# KiCad board OEM_ECU.kicad_pcb (continued)
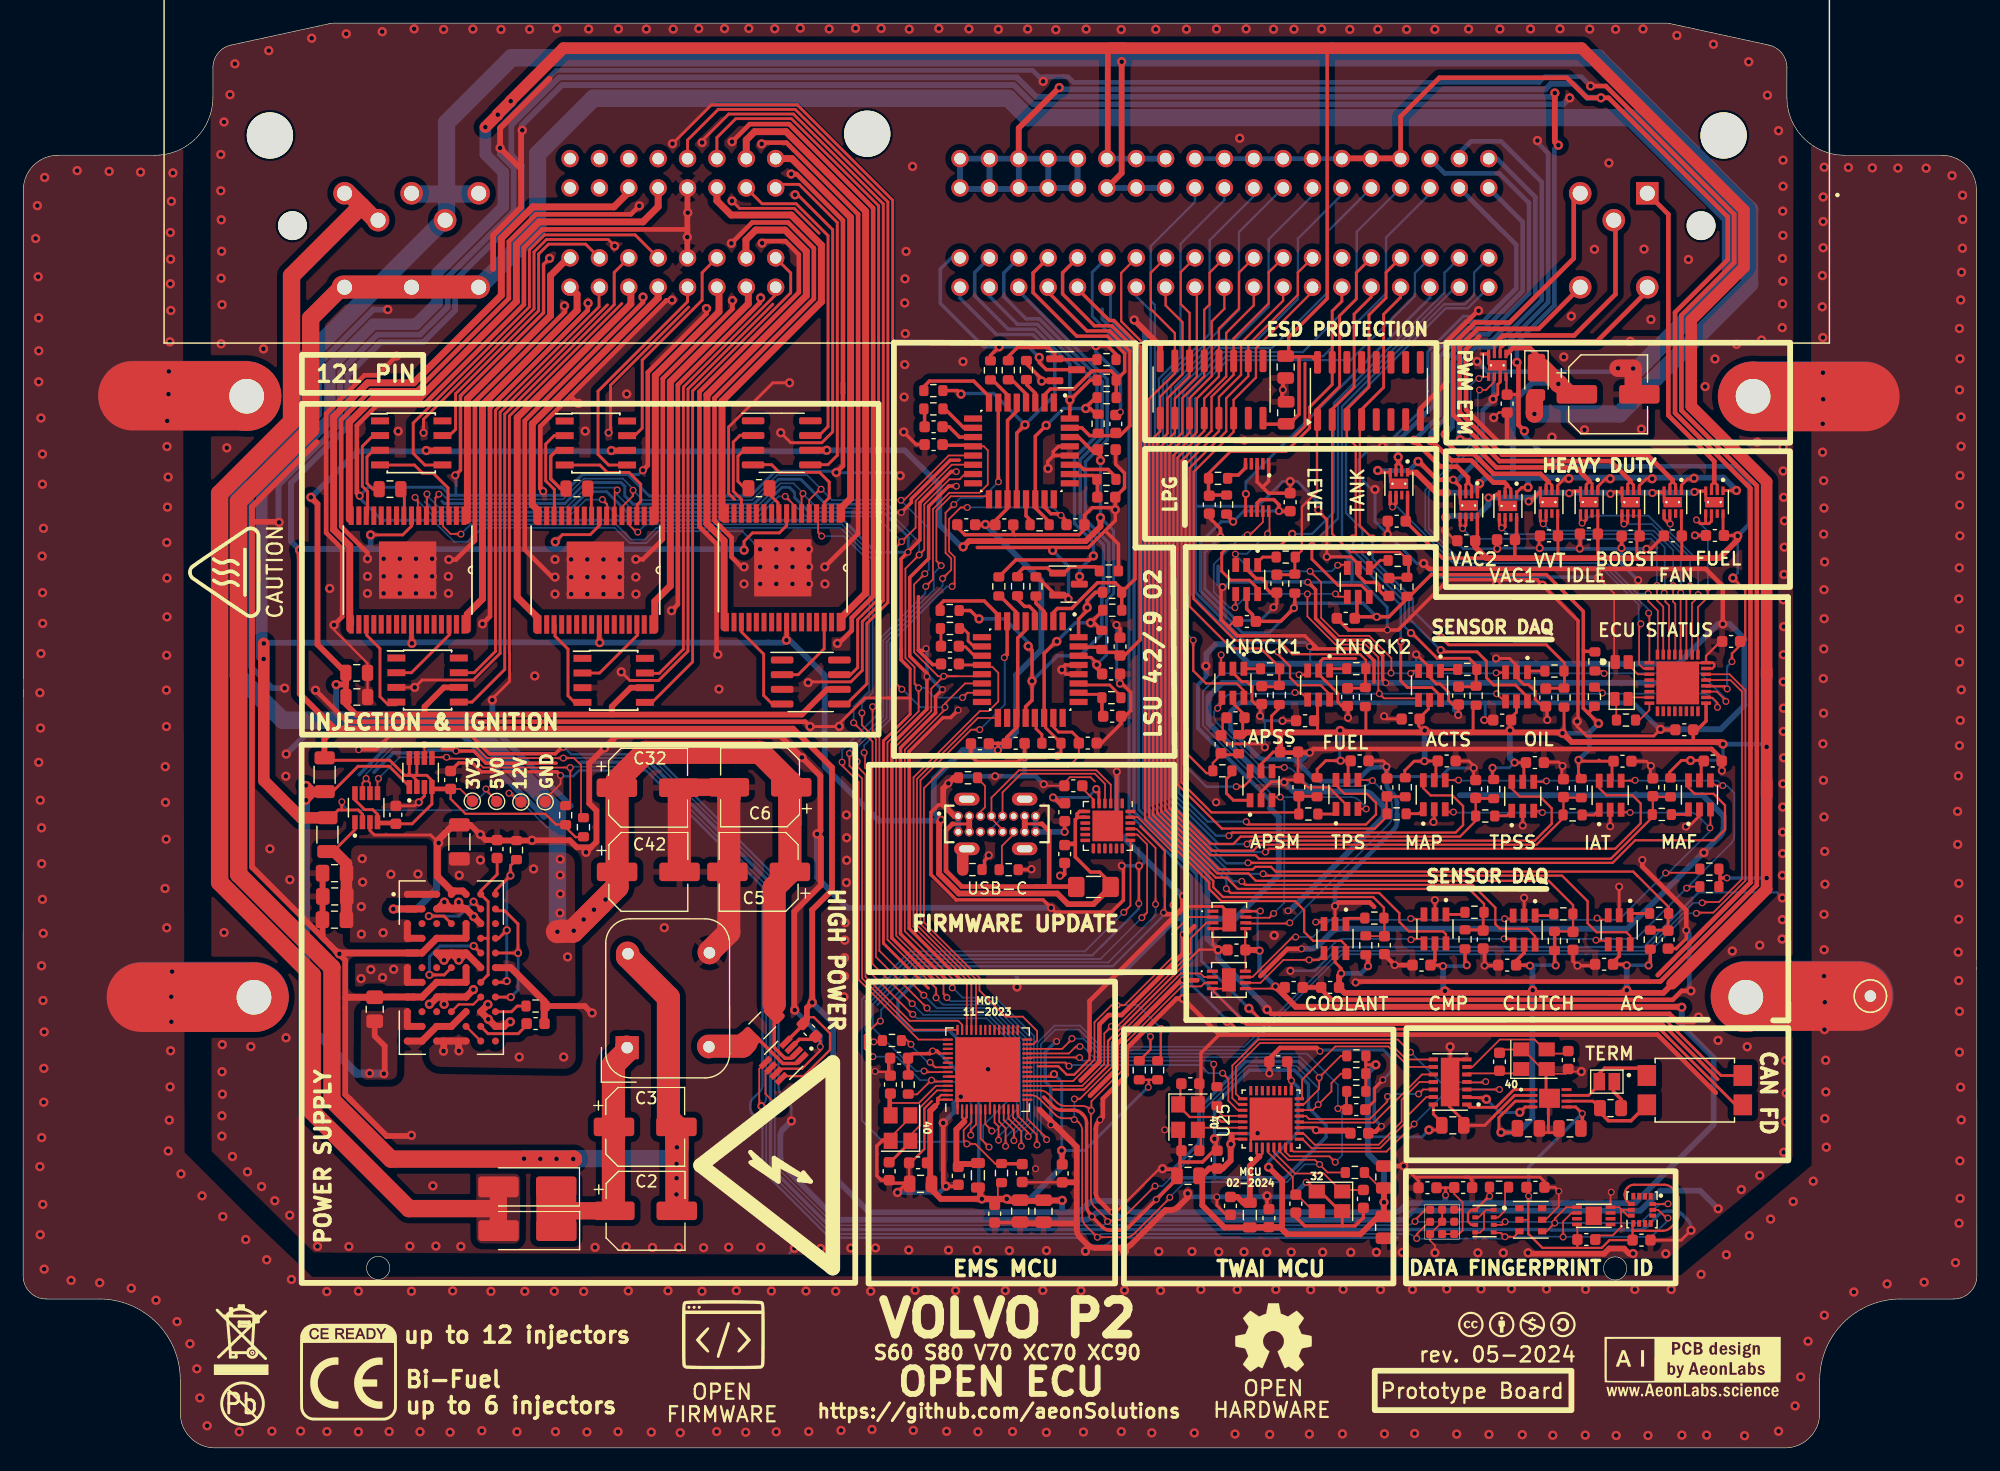
[diagram p0: board, top side]
## Routing (per net, layer and track width the routed paths; a pad name or vN(x,y) marks a point on that pad's centre or on a via; arc(x,y) is an arc through that point) (continued)
GND1: length 77.8
  Top w2: 159.04,92.46 159.1,92.52
  Top w6: 9.49,91.01 19.21,91.01 ; 148.92,39.07 158.64,39.07 ; 10.22,38.98 19.94,38.98 ; 149.54,90.94 159.26,90.94
  Bottom w6: 158.74,39.13 149.02,39.13 ; 159.2,90.99 149.55,90.99 ; 19.2,91.04 9.48,91.04 ; 19.98,39.04 10.26,39.04
  vias: v1(1.08,104.62) v1(1.23,107.46) v1(1.3,101.31) v1(1.34,97.75) v1(1.35,94.9) v1(1.35,92.22) v1(1.35,59.3) v1(1.45,65.32) v1(1.5,62.27) v1(1.48,56.02) v1(1.45,24.33) v1(1.48,18.44) v1(1.54,89.09) v1(1.54,68.71) v1(1.59,53.64) v1(1.6,50.53) v1(1.59,41.7) v1(1.6,26.84) v1(1.67,85.97) v1(1.67,83.36) v1(1.64,77.14) v1(1.68,73.98) v1(1.69,71.32) v1(1.67,47.45) v1(1.72,38.7) v1(1.7,21.06) v1(1.76,79.55) v1(1.74,44.51) v1(1.82,35.98) v1(1.79,32.83) v1(1.78,29.9) v1(1.82,15.46) v1(1.86,109.9) v1(4.15,14.49) v1(4.67,110.49) v1(6.62,14.28) v1(7.44,110.42) v1(9.35,13.81) v1(10.15,110.36) v1(11.49,12.77) v1(12.29,58.93) v1(12.31,55.84) v1(12.27,48.39) v1(12.42,78.32) v1(12.41,68.56) v1(12.39,65.55) v1(12.39,62.4) v1(12.37,52.65) v1(12.42,44.99) v1(12.46,88.84) v1(12.44,86.62) v1(12.48,81.38) v1(12.44,75.24) v1(12.44,71.89) v1(12.6,93.12) v1(12.57,91.15) v1(12.54,83.98) v1(12.55,25.68) v1(12.69,95.68) v1(12.71,31.23) v1(12.64,28.35) v1(12.82,107.84) v1(12.73,105.14) v1(12.75,102.83) v1(12.73,100.7) v1(12.77,98.39) v1(12.81,39.03) v1(12.82,36.86) v1(12.75,34.35) v1(12.88,41.2) v1(12.95,110.29) v1(13.31,10.92) v1(13.65,23.7) v1(14.43,9) v1(15.02,6.84) v1(15.28,4.32) v1(15.47,21.8) v1(15.91,1.91) v1(17.27,20.01) v1(18.69,1.39) v1(19.25,18.02) v1(21.06,16.27) v1(21.51,1.44) v1(23.2,14.57) v1(23.99,1.45) v1(26.26,13.52) v1(26.27,1.41) v1(28.99,13.55) v1(28.99,1.39) v1(31.65,1.41) v1(33.58,13.55) v1(34.32,1.39) v1(36.92,1.35) v1(37.14,13.58) v1(39.66,1.48) v1(40.45,13.54) v1(42.7,1.39) v1(43.38,13.54) v1(45.93,13.55) v1(46.03,1.4) v1(48.47,13.53) v1(48.75,1.37) v1(51.44,1.4) v1(52.33,13.58) v1(54.32,1.36) v1(55.76,13.59) v1(56.82,1.31) v1(58.7,13.55) v1(59.97,1.41) v1(61.67,13.6) v1(62.48,1.35) v1(64.7,13.57) v1(65.12,1.39) v1(67.69,13.57) v1(67.93,1.41) v1(70.26,13.55) v1(70.72,1.51) v1(73.29,13.55) v1(73.4,1.59) v1(76.97,1.51) v1(77.13,13.63) v1(79.85,1.43) v1(80.63,13.61) v1(82.56,1.39) v1(84.93,13.61) v1(85.55,1.41) v1(88.17,13.62) v1(88.48,1.34) v1(91.47,13.6) v1(91.68,1.37) v1(94.96,1.41) v1(95.23,13.63) v1(97.59,1.3) v1(98.35,13.61) v1(101.27,1.29) v1(101.83,13.7) v1(104.79,1.2) v1(104.98,13.69) v1(107.79,1.16) v1(108.32,13.7) v1(111.22,1.19) v1(111.33,13.68) v1(114.08,1.21) v1(114.14,13.72) v1(117.37,13.69) v1(117.71,1.21) v1(120.13,13.7) v1(120.32,1.24) v1(123.1,13.75) v1(123.96,1.19) v1(126.06,13.75) v1(126.75,1.16) v1(128.69,13.76) v1(129.63,1.14) v1(131.72,13.74) v1(132.27,1.09) v1(135.1,13.72) v1(135.08,1.1) v1(137.75,1.07) v1(139.36,13.7) v1(140.5,1.07) v1(142.51,13.7) v1(143.43,1.1) v1(145.09,15.01) v1(145.57,1.1) v1(147.28,16.7) v1(148.85,1.05) v1(149.27,18.36) v1(151.1,19.79) v1(151.79,1.44) v1(153.06,21.31) v1(153.22,3.63) v1(153.7,6.14) v1(154.34,9.22) v1(154.79,23.07) v1(155.58,101.41) v1(155.57,98.71) v1(155.62,96.05) v1(155.63,93.01) v1(155.61,88.59) v1(155.6,86.13) v1(155.63,60.91) v1(155.65,108.21) v1(155.65,106.08) v1(155.65,103.82) v1(155.65,90.71) v1(155.69,83.67) v1(155.72,81.3) v1(155.69,79.04) v1(155.72,74.24) v1(155.73,71.73) v1(155.7,69.12) v1(155.66,66.55) v1(155.68,63.55) v1(155.67,57.75) v1(155.72,54.58) v1(155.72,46.15) v1(155.73,43.09) v1(155.72,40.81) v1(155.74,110.78) v1(155.77,76.64) v1(155.78,51.6) v1(155.8,48.76) v1(155.79,38.55) v1(155.76,36.18) v1(155.79,28.49) v1(155.75,11.47) v1(155.86,33.53) v1(155.88,30.79) v1(155.92,26.01) v1(157.83,110.76) v1(158.3,13.48) v1(159.9,110.73) v1(161.18,14.18) v1(162.11,110.71) v1(164.38,14.33) v1(164.55,110.7) v1(166.79,110.06) v1(167.09,16.02) v1(167.27,55.06) v1(167.28,52.2) v1(167.42,76.13) v1(167.38,73.44) v1(167.34,58.13) v1(167.38,48.83) v1(167.37,45.72) v1(167.33,42.88) v1(167.37,40.42) v1(167.4,19.43) v1(167.43,96.83) v1(167.48,94.22) v1(167.44,91.52) v1(167.48,84.11) v1(167.45,81.56) v1(167.47,78.9) v1(167.45,70.85) v1(167.44,67.97) v1(167.5,62.93) v1(167.43,60.75) v1(167.43,37.76) v1(167.43,34.23) v1(167.53,31.2) v1(167.47,24.83) v1(167.49,21.58) v1(167.61,101.7) v1(167.54,99.3) v1(167.57,89.18) v1(167.57,86.64) v1(167.59,65.58) v1(167.59,28.37) v1(167.7,108.36) v1(167.72,106.27) v1(167.69,103.78)
GND-BAT: length 371
  Top w0.25: 127.65,82.28 127.65,81.6 ; U13.7 127.72,92.21 127.51,92 127.51,91.13 v1(127.1,90.72) ; 127.72,93.39 127.72,92.71 ; 138.26,82.52 138.26,81.83 ; 131.19,82.46 131.19,81.77 ; 134.67,82.59 134.67,81.9 ; U32.4 117.29,84.39 v1(117.13,84.55) ; 118.22,84.23 118.22,83.55 ; 124.26,82.37 124.26,81.69 ; 141.89,82.5 141.89,81.81 ; 126.73,94.46 126.73,93.78 ; 145.5,82.6 145.5,81.91
  Top w0.3: 138.23,82.69 137.62,82.69 ; 141.86,82.67 141.25,82.67 ; 126.7,94.63 126.09,94.63 ; 145.47,82.77 144.85,82.77 ; v2(123.66,83.75) 124.25,83.16 U30.4 ; 131.16,82.63 131.06,82.63 130.3,81.87 v2(130.18,81.87) ; 134.64,82.76 134.03,82.76 ; v2(126.71,82.21) 127.13,82.21 127.41,82.49 127.6,82.49
  Top w0.4: 120.85,85.17 122.27,83.75 v2(123.66,83.75)
  Top w1.5: 47.58,24.98 v1(47.57,24.99) 47.56,24.98 31.82,24.98 26.7,30.09 26.7,41.55 18.64,49.61 18.64,81.88 24.86,88.1 24.86,97.71 27.55,100.4 U15.121 ; C1.2 139.22,91.67 v1(139.22,93.37) 139.2,93.39 v1(137.91,93.39)
  Top w2: v1(56.53,26) 56.53,27.73 55.8,28.46 55.8,38.96 52.26,42.49 52.26,42.81 ; 27.68,100.42 39.28,100.42 ; 56.53,27.44 56.53,21.45
  Bottom w0.4: v1(137.91,93.39) 137.62,93.1 126.61,93.1 v1(125.72,93.98) ; v2(123.66,83.75) 124.06,83.75 126.22,85.91 126.22,89.76 127.14,90.68 127.14,93.04 127.08,93.1 126.69,93.1 ; 117.13,84.53 119.82,84.53 v1(120.62,85.33)
  Bottom w0.5: 130.88,82.44 130.65,82.21 v2(126.71,82.21) 126.71,81.59 125.73,80.61 123.12,80.61 v1(123.02,80.51) ; 130.88,82.44 131.08,82.64 144.47,82.64 v2(144.52,82.7) ; 130.88,82.44 130.31,81.87 v2(130.18,81.87) ; v2(123.66,83.75) 123.64,83.73
  Bottom w1.5: 56.45,25.01 56.44,25.02 v1(43.31,25.02) ; v1(137.91,93.39) 139.66,93.39 147.64,101.37 147.64,106.43 138.99,115.07 86.86,115.07 85.18,116.76 49.32,116.76 44.49,111.93 44.49,105.5 U15.119
  Bottom w2: v1(56.53,26) 56.54,25.99 56.54,21.98
  vias: v1(44.72,25) v1(46.12,25) v1(56.5,24.57) v1(56.5,23.33) v1(56.49,21.93) v1(133.22,94.37) v1(135.01,88.07) v1(138.97,95.72) v1(139.93,88.13) v2(133.69,82.58) v2(137.25,82.53) v2(140.88,82.61)
GNDA: length 223.1
  Top w0.4: 149.36,60.59 149.36,83 142.84,89.52 142.84,98.23 147.4,102.79 147.4,106.48 137.09,116.79 v1(136.43,116.79) 135.22,116.79 133.49,118.52 122.46,118.52 119.11,115.17 U15.78 U15.76 ; 149.36,60.59 149.36,48.91 141.34,40.89 ; 149.36,60.59 149.35,60.58
  Top w0.5: 86.09,111.53 86.09,114.17 v1(89.59,117.67) ; U15.78 119.09,111.55 114.05,111.55 U15.76
  Bottom w0.4: U15.76 U15.71
  Bottom w0.5: 88.8,108.9 81.18,108.9 ; v1(136.43,116.79) 135.25,116.79 134.03,118.01 132.12,118.01 131.63,117.52 89.74,117.52 v1(89.59,117.67) 89.52,117.67 89.57,117.72 ; 88.64,111.46 88.64,108.92 ; 88.63,108.99 91.17,108.99 91.17,111.53 88.63,111.53 86.09,111.53 81.01,111.53 81.01,108.99 ; 83.56,111.46 83.56,108.92 ; 86.1,111.46 86.1,108.92
VBAT: length 65.7
  Top w0.25: 140.68,83.89 140.73,83.84 v1(140.86,83.84) 140.35,83.84 139.75,83.24 U20.1 ; v1(130.13,83.09) 129.59,83.09 129.14,82.64 129.14,82.54 ; U27.1 132.69,83.26 133.37,83.94 133.65,83.94 133.64,83.95 133.36,83.95 ; U19.1 143.39,83.29 143.91,83.81 144.41,83.81 v1(144.48,83.88) 144.45,83.85 144.4,83.85 ; 137.16,83.9 137.24,83.9 137.29,83.85 136.84,83.85 136.16,83.17 U26.1 ; v1(148.15,82.82) 147.02,82.82 U14.1
  Top w0.3: v1(125.94,83.42) 125.75,83.23 U30.1
  Top w0.4: 119.77,84.37 120.2,84.37 ; D4.1 130.86,94.57 130.3,95.13 128.8,95.13 128.29,94.63
  Top w0.5: v1(123.06,82.63) 122.21,82.63 120.47,84.37 120.2,84.37
  Top w1.5: C1.1 133.73,91.14 132.83,92.04 v1(132.75,92.04) 132.75,92.12 131.43,93.44 D4.1
  Bottom w0.5: 131.84,83.94 126.46,83.94 v1(125.94,83.42) 125.15,82.63 v1(123.06,82.63) ; 131.84,83.94 147.04,83.94 v1(148.15,82.82) ; 131.84,83.94 129.39,83.94 ; 132.69,92.14 130.51,92.14 128.81,90.44 128.81,89.86 128.82,89.85 128.82,83.94 129.39,83.94 ; 129.39,83.94 130.13,83.94 v1(130.13,83.09)
  vias: v1(133.66,83.85) v1(137.24,83.84)
1_SENSE+: length 50.1
  Top w0.2: v2(116.68,78.66) 116.68,78.67 115.58,79.77 115.58,88.8 SP2.4
  Top w0.25: v2(122.63,70.1) 123.26,69.47 131.71,69.47 133.29,67.89 133.29,67.26 133.24,67.2 ; 133.28,65.8 133.28,67.19 ; SP2.4 115.74,89.84 117.64,91.74 117.64,98.06 119.11,99.53 U15.21 ; 131.62,65.72 133.23,65.72
  Bottom w0.2: v2(122.63,70.1) 122.5,70.1 120.17,72.43 120.17,73.44 116.68,76.93 v2(116.68,78.66)
1_SENSE-: length 51.4
  Top w0.25: v2(122.57,69.01) 122.72,68.86 125.73,68.86 126.53,68.06 126.53,66.62 127.16,65.99 129.04,65.99 130.08,64.96 FUEL_SENSE1.6
  Bottom w0.2: v2(122.57,69.01) 119.82,71.76 119.82,73.3 115.8,77.32 115.8,79.45 114.39,80.86 114.39,89.96 123.02,98.58 124.91,98.58 U15.24
AC_SENSE+: length 99.9
  Top w0.2: 98.41,78.39 98.41,86.64 99.59,87.82 SP1.10 99.59,90.76 101.49,92.66 101.49,100.24 U15.14 ; 98.41,78.39 98.41,55.03 99.71,53.74 ; 98.41,78.39 98.41,78.67 ; 99.71,53.74 99.35,54.09 ; 99.71,53.74 103.4,50.04 106.33,50.04 106.55,50.26 107.9,50.26 108.31,49.85 139.22,49.85 139.57,49.5 ; 139.57,49.5 142.29,46.78 AC_R2.1 ; 139.57,49.5 139.3,49.78
  Top w0.25: AC_R1.1 142.19,44.79 AC_C1.2 142.24,46.18 AC_R2.1
  Bottom w0.25: 101.31,100.23 101.31,99.84 101.31,100.38 U15.14
AC_SENSE-: length 103
  Top w0.2: v3(107.22,49.66) 107.38,49.5 133.07,49.5 135.28,47.29 135.28,45.38 136.05,44.61 138.63,44.61 138.96,44.28 AC_SENSE1.6
  Bottom w0.2: 98.21,79.02 98.21,92.48 100.08,94.35 100.08,104.15 103.87,107.94 U15.53 ; 98.21,79.02 98.21,79.2 ; 98.21,79.02 98.21,55.91 104.46,49.66 v3(107.22,49.66)
ACC_PEDAL_M_SENSE+: length 51.1
  Top w0.2: 102.76,58.37 102.32,58.37 100.51,60.18 100.51,85.06 103.4,87.95 SP1.13 103.4,90.91 105.31,92.82 105.31,95.59 108.95,99.23 U15.17 ; 102.66,58.37 102.88,58.59 102.88,59.25 103.49,59.86 103.49,59.96
  Top w0.25: 105.04,59.91 104.99,59.96 103.49,59.96 ; SP1.13 103.4,88.23
ACC_PEDAL_M_SENSE-: length 70.1
  Top w0.2: ACC_PEDAL_M_SENSE1.6 106.09,57.76 105.53,57.2 v3(104.9,57.2)
  Bottom w0.2: 100.31,77.25 100.31,59.21 102.31,57.2 v3(104.9,57.2) ; 100.31,77.25 100.31,91.36 102.29,93.34 ; 100.31,77.25 100.31,77.67 ; U15.59 115.31,105.19 115.31,99.43 110.67,94.79 103.74,94.79 102.29,93.34 ; 102.29,93.34 102.61,93.66
ACC_PEDAL_S_SENSE+: length 47.6
  Top w0.2: U15.37 110.22,101.67 110.22,99.73 105.94,95.45 SP1.2 105.94,92.71 104.03,90.8 104.03,87.93 100.86,84.76 100.86,72.8 104.5,69.15 107.03,69.15 108.65,67.53 ACPS_R4.1 108.62,67.36 ACPS_R3.1
  Top w0.25: 106.93,65.84 108.45,65.84
ACC_PEDAL_S_SENSE-: length 61.4
  Top w0.2: 105.52,64.89 105.52,65.54 104.93,66.13 102.28,66.13 101.18,67.23 v3(101.18,69.87)
  Bottom w0.2: 100.66,77.15 100.66,91.11 103.99,94.44 112.42,94.44 117.85,99.87 117.85,104.7 121.65,108.5 U15.60 ; 100.66,77.15 100.66,70.4 v3(101.18,69.87) ; 100.66,77.15 100.66,77.29
ACTS_SENSE+: length 47.1
  Top w0.2: v2(115,78.67) 115.24,78.91 115.24,79.62 115.23,79.63 115.23,86.68 114.47,87.45 SP2.3
  Top w0.25: U15.40 117.85,101.68 117.85,99.48 116.37,98 116.37,91.77 114.47,89.87 SP2.3 ; ACTS_R1.1 125.64,67.28 ACTS_R2.1 125.7,67.64 125.04,68.3 122.28,68.3 120.09,70.49 v2(120,70.49) ; 124.08,65.84 125.56,65.84 125.61,65.89
  Bottom w0.2: v2(120,70.49) 119.47,71.02 119.47,73.15 115,77.62 v2(115,78.67)
ACTS_SENSE-: length 49.3
  Top w0.25: 122.47,64.72 122.47,65.14 121.84,65.77 119.7,65.77 119.12,66.35 v2(119.12,69.76)
  Bottom w0.2: U15.43 125.47,101.68 125.47,99.73 124.68,98.93 122.87,98.93 114.04,90.1 114.04,77.99 119.12,72.91 v2(119.12,69.76)
ADC1_CH4: length 7.5
  Top w0.15: C3XTAL32_1.3 111.57,20.48 109.79,22.26 109.79,23.42 107.66,25.56 107.66,26.02
ADC2_CH0: length 9.6
  Top w0.15: C3XTAL32_C1.1 114.19,22.31 C3XTAL32_1.1 114.02,22.18 112.47,23.73 110,23.73 108.16,25.57 108.16,26.02
BOOST-OUT: length 45
  Top w0.25: U20.3 138.75,83.37 138.97,83.59 139.25,83.31 U20.2
  Top w0.4: U15.2 134.08,107.97 134.08,102.9 128.53,97.35 125.55,97.35 123.67,95.47 123.67,89.36 127.66,85.36 137.27,85.36 138.97,83.66 138.97,83.59
CAN_H: length 112.6
  Top w0.25: 105.98,38.06 106.97,37.07 141.95,37.07 146.81,32.21 FL1.4
  Bottom w0.25: U15.11 94.03,100.08 94.03,97.59 96.48,95.14 96.48,55.2 101.88,49.8 101.88,42.13 v1(105.99,38.02)
CAN_L: length 120.4
  Top w0.25: 142.25,35.51 141.53,36.22 104.92,36.22 104.22,36.92 ; 142.25,35.51 148.08,29.67 FL1.3 148.69,29.68 148.08,29.68 ; 142.25,35.51 141.66,36.09
  Bottom w0.25: 93.43,102.94 U15.30 93.69,102.94 92.44,101.69 92.44,97.89 95.63,94.7 95.63,54.85 101.03,49.45 101.03,40.06 104.04,37.05
  vias: v1(104.11,36.89)
CAN_RXD: length 6.4
  Top w0.25: U31.4 129.88,29.49 v1(129.41,29.02) ; U1.2 124.89,30.3 126.39,30.3 v1(126.53,30.16)
  Bottom w0.25: v1(129.41,29.02) 129.4,29.01 127.68,29.01 v1(126.53,30.16)
CAN_TXD: length 6.4
  Top w0.25: U1.1 125.08,29.46 127.37,29.46 128.9,30.99 U31.1
CHIP_EN: length 61.2
  Top w0.15: v3(95.17,46.32) 95.75,46.9 95.75,52.55 ; 82,29.28 82,28.16 81.33,27.5 81.33,26.56 v3(81.6,26.29) 82.34,26.29 84.05,24.58 84.5,24.58
  Top w0.3: 86.03,24.54 85.99,24.58 84.5,24.58
  Bottom w0.15: v3(81.6,26.29) 81.41,26.48 74.36,26.48 72.53,28.31 72.53,38.8 76.68,42.94 91.79,42.94 v3(95.17,46.32)
CJ125_2_CS: length 59.6
  Top w0.15: v3(79.39,76.32) 78.97,76.74 78.97,81.08 80.21,82.32 83.26,82.32 U12.17 ; ESP32S1.42 77.01,36.16 72.54,40.63 72.54,57.91 71.45,59 v3(71.45,60.07)
  Bottom w0.15: v3(71.45,60.07) 71.45,60.36 74.36,63.27 74.36,69.85 78.74,74.23 78.74,75.67 v3(79.39,76.32)
CJ125_CS: length 32.8
  Top w0.15: ESP32S1.39 82,40.51 77.29,45.22 77.29,57.88 82.56,63.15 U28.17
CJ125_UA: length 47
  Top w0.15: CJC7.2 91.29,59.82 90.39,58.92 79.75,58.92 77.89,57.06 77.89,45.47 82.7,40.66 82.7,39.57 84.96,37.3 86.44,37.3 87.68,36.06 87.68,35.25 87.35,34.92 ESP32S1.27
  Top w0.25: U28.23 89.09,62.37 89.53,61.92 90.7,61.92 91.42,61.2
CJ125_UA2: length 85.7
  Top w0.15: v3(72.72,60.15) 72.8,60.07 72.8,58.83 73.14,58.49 73.14,41.22 76.86,37.5 v3(76.93,37.5) ; 82.8,29.28 82.8,26.74 v3(83.52,26.02) ; v3(80.33,74.51) 80.55,74.73 80.55,77.06 80.06,77.55 80.06,80.34 81.07,81.35 v3(81.64,81.35)
  Top w0.3: U12.23 88.32,81.36 88.87,80.81 89.57,80.81 90.22,80.16 CJC15.2
  Bottom w0.15: v3(76.93,37.5) 77.28,37.15 83.33,37.15 85.61,34.88 85.61,30.48 83.01,27.88 83.01,26.54 v3(83.52,26.02) ; v3(72.72,60.15) 72.72,60.78 74.96,63.02 74.96,69.6 79.87,74.51 v3(80.33,74.51) ; v3(89.75,80.67) 89.07,81.35 81.61,81.35 81.58,81.38
CJ125_UR: length 40.2
  Top w0.15: U28.12 83.08,67.55 83.82,67.55 84.32,67.05 84.32,64.57 83.48,63.73 82.72,63.73 76.99,58 76.99,45.09 81.6,40.49 ESP32S1.40
  Top w0.25: 80.74,67.76 80.77,67.73 U28.12
CJ125_UR2: length 67.1
  Top w0.15: U12.12 83.07,86.64 83.42,86.29 83.42,83.34 82.7,82.62 80.09,82.62 78.67,81.2 78.67,75.14 v3(78.05,74.52) ; v3(70.81,59.32) 70.81,59.03 72.24,57.6 72.24,40.5 77.42,35.32 ESP32S1.43
  Top w0.3: U12.12 82.05,86.73 79.56,86.73 CJC16.2
  Bottom w0.15: v3(78.05,74.52) 78.01,74.48 78.01,73.93 74.06,69.98 74.06,63.62 70.81,60.37 v3(70.81,59.32)
CLUTCH_SENSE+: length 93.8
  Top w0.2: 134.02,46.18 CLU_R4.1 ; 98.06,78.25 98.06,78.81 ; 98.06,78.25 98.06,54.89 103.26,49.69 105.95,49.69 106.59,49.05 131.92,49.05 134.02,46.95 CLU_C3.2 133.97,44.68 CLU_R3.1 ; 98.06,78.25 98.06,86.86 98.95,87.75 98.95,90.8 100.86,92.71 SP1.6 100.86,98.18 100.1,98.94 100.1,101.71 U15.33
CLUTCH_SENSE-: length 94.5
  Top w0.2: CLUTCH_SENSE1.6 130.74,44.25 130.08,44.91 127.69,44.91 127.3,45.3 127.3,46.73 125.33,48.7 105.68,48.7 v3(105.37,49.01)
  Bottom w0.2: v3(105.37,49.01) 104.61,49.01 97.86,55.77 97.86,85.79 ; 97.86,85.79 97.86,86.11 ; 97.86,85.79 97.86,98.89 97.5,99.24 97.5,103.96 101.33,107.79 U15.52
COOLANT_SENSE+: length 79
  Top w0.15: 116.14,44.26 COOL_C1.2 ; 117.71,45.79 COOL_R2.1
  Top w0.2: COOL_C1.2 117.71,45.79 ; U15.32 97.51,101.66 97.51,100.62 ; COOL_R2.1 117.67,46.73 116.74,47.65 103.75,47.65 102.91,48.49 102.91,49.05 97.36,54.6 97.36,90.74 99.59,92.97 SP1.7 99.59,96.43 97.51,98.51 97.51,100.62 ; 97.51,100.62 97.51,100.91
  Top w0.25: 117.67,44.31 COOL_C1.2
COOLANT_SENSE-: length 73.9
  Top w0.2: U15.31 94.95,101.64 94.95,97.46 97,95.41 97,82.55 97.01,82.54 97.01,54.37 99.77,51.62 99.85,51.62 102.56,48.9 102.56,48.35 103.61,47.3 109.98,47.3 110.77,46.51 110.77,44.64 111.55,43.86 113.98,43.86 114.39,43.46 COOLANT_SENSE1.6
CRANK_SENSE+: length 83.5
  Top w0.2: 97.71,78.36 97.71,87.33 98.32,87.94 SP1.9 98.32,90.94 100.25,92.87 100.25,97.37 98.79,98.83 U15.13 ; 97.71,78.36 97.71,78.89 ; 97.71,78.36 97.71,54.74 103.12,49.33 104.06,49.33 105.04,48.35 125.03,48.35 126.32,47.06 CRA_R4.1
  Top w0.25: CRA_R3.1 126.19,44.82 CRA_C3.2 126.25,46.26
CRANK_SENSE-: length 77.1
  Top w0.2: CRANK_SENSE1.6 123.03,44.43 122.78,44.68 119.82,44.68 119,45.5 119,46.26 117.26,48 104.41,48 v3(104.04,48.37)
  Bottom w0.2: U15.12 96.25,99.62 97.51,98.37 97.51,55.62 104.04,49.09 v3(104.04,48.37)
DIAHD: length 2.9
  Top w0.3: 85.89,71.51 85.89,72.29 84.48,73.7 CJR9.1
DIAHD2: length 2.6
  Top w0.3: 83.65,92.31 83.89,92.31 85.12,91.09 U12.6
DIAHG: length 3.1
  Top w0.3: CJR11.2 85.99,73.39 86.59,72.79 87.02,72.79 87.49,72.33 87.49,71.51
DIAHG2: length 2.8
  Top w0.3: U12.4 86.72,91.17 85.54,92.35 85.19,92.35
ESP_GPIO0_BOOT-DTR: length 64.3
  Top w0.15: v3(74.13,36.92) 74.02,36.92 72.76,35.66 72.76,34.56 v3(73.48,33.84) ; v3(99.43,46.96) 99.44,46.97 99.44,51.48 96.37,54.56 95.75,54.56 ; 76.21,30.58 77.3,30.58 78.52,31.81 v3(78.55,31.81) 78.66,31.7 ; 82.4,29.28 82.4,27.97 81.94,27.51 v3(81.94,27.05) ; 78.66,31.7 79.96,31.7
  Bottom w0.15: v3(74.13,36.92) 74.19,36.98 74.19,37.9 77.63,41.34 94.82,41.34 99.43,45.95 v3(99.43,46.96) ; 78.7,31.66 v3(78.55,31.81) 77.56,31.81 75.53,33.84 v3(73.48,33.84) ; 78.7,31.66 81.17,31.66 81.93,30.9 81.93,27.06 v3(81.94,27.05)
ETM_IN1: length 42.8
  Top w0.15: KTS1.8 141.35,68.65 141.35,72.42 140.52,73.25 v3(140.52,73.91) ; U13.6 127.16,92.6 127.16,92.17 126.5,91.51 v3(125.93,91.51)
  Bottom w0.15: v3(140.52,73.91) 139.57,73.91 136.64,76.84 124.22,76.84 121.54,79.53 121.54,82.72 125.8,86.98 125.8,91.38 v3(125.93,91.51)
ETM_IN2: length 42.8
  Top w0.15: v3(140.56,72.21) 140.56,72.03 140.62,71.97 KTS1.9 ; v3(125.88,92.5) 126.04,92.66 U13.5
  Bottom w0.15: v3(140.56,72.21) 140.56,72.5 136.51,76.54 124.1,76.54 121.24,79.4 121.24,82.85 125.16,86.77 125.16,91.93 125.73,92.5 v3(125.88,92.5)
ETM_PWM1: length 15.4
  Top w0.25: U13.2 127.72,95.18
  Top w0.4: U15.4 140.44,100.07 136.05,95.68 128.23,95.68 127.85,95.31
ETM_PWM2: length 19.7
  Top w0.25: U13.3 127.22,95.49
  Top w0.4: 127.22,95.49 127.97,96.23 134.12,96.23 137.69,99.8 137.69,106.05 U15.3 137.66,106.08
FAN-OUT: length 41
  Top w0.25: U19.3 142.39,83.35 142.63,83.59 142.89,83.33 U19.2
  Top w0.4: 142.63,83.59 142.63,83.72 140.44,85.91 127.89,85.91 124.22,89.58 124.22,95.24 125.78,96.8 131.04,96.8 U15.5
FUEL-PUMP-OUT: length 29.1
  Top w0.25: U14.3 145.99,83.31 146.23,83.55 146.49,83.29 U14.2
  Top w0.4: U15.1 142.26,106.71 142.26,89.32 146.23,85.35 146.23,83.55
FUEL_SENSE+: length 52.4
  Top w0.2: FUEL_R2.1 116.11,68.15 115.59,68.66 109.74,68.66 108.55,69.85 104.79,69.85 101.21,73.44 101.21,84.43 104.67,87.89 SP1.14 104.67,90.66 106.6,92.59 106.6,95.13 111.49,100.02 U15.18
  Top w0.25: FUEL_R2.1 116.06,67.37 FUEL_R1.1 ; 114.56,65.72 116.08,65.72 116.15,65.79 ; 116.15,67.37 116.19,67.4
FUEL_SENSE-: length 60.6
  Top w0.2: v3(108.48,68.87) 108.48,68.68 109.55,67.61 109.55,66.64 110.22,65.97 112.2,65.97 112.97,65.2 FUEL_SENSE2.6
  Bottom w0.2: U15.41 120.34,101.63 120.34,99.65 114.78,94.09 104.14,94.09 101.01,90.96 101.01,73.84 105.97,68.87 v3(108.48,68.87)
GPIO8_I2C_SDA_5V0: length 132.4
  Top w0.15: v3(103.29,63.98) 103.62,64.31 103.62,64.89 ; v3(127.41,65.24) 128.07,64.58 FUEL_SENSE1.4 ; TPS_SENSE1.4 116.62,57.78 v3(116.68,57.72) ; KNOCK1_SENSE1.4 104.85,72.75 v3(104.78,72.68) ; v3(109.97,65.34) 110.48,65.34 110.91,64.91 110.91,64.74 ; 105.73,45.42 105.79,45.36 109.47,45.36 v3(109.53,45.42) ; 109.04,58.9 108.17,58.9 107.81,58.54 ; U2.9 107.2,80.09 106.08,78.97 v3(105.86,78.97) ; 114.66,73.63 113.72,73.63 v3(113.48,73.87) ; 120.57,64.72 120.45,64.84 117.67,64.84 v3(117.27,65.24) 117.19,65.33 117.19,68.39 116.08,69.49 113.48,69.49 111.05,71.92 v3(111.05,73.87) ; v3(146.51,64.06) 146.51,64.46 146.08,64.89 145.22,64.89 ; 136.19,65.81 136.19,65.67 v3(136.56,65.3)
  Bottom w0.15: 108.75,65.24 109.87,65.24 v3(109.97,65.34) ; 108.75,65.24 104.64,65.24 arc(104.31,65.18) 104.01,65.02 103.29,64.3 v3(103.29,63.98) 102.98,63.67 102.98,63.29 arc(103.08,62.96) 103.27,62.68 106.8,59.16 arc(107.12,58.94) 107.5,58.86 v3(109.06,58.86) 109.17,58.86 arc(109.55,58.79) 109.87,58.57 110.9,57.55 arc(111.22,57.33) 111.6,57.25 115.8,57.25 arc(116.18,57.33) 116.5,57.55 v3(116.68,57.72) 118.08,56.33 arc(118.29,56) 118.37,55.62 118.37,54.66 arc(118.29,54.27) 118.08,53.95 109.55,45.42 v3(109.53,45.42) ; 108.75,65.24 116.13,65.24 ; 146.63,64.18 v3(146.51,64.06) 146.51,64.36 145.78,65.09 arc(145.52,65.2) 145.24,65.24 116.13,65.24 ; 116.13,65.24 116.93,65.24 ; v3(113.48,73.87) 105.97,73.87 v3(104.78,72.68) 104.32,72.68 102.95,74.05 102.95,76.43 105.49,78.97 v3(105.86,78.97)
GPIO9_I2C_SCL_5V0: length 120.7
  Top w0.15: v3(107.6,79.07) 107.77,79.24 107.77,80.96 U2.10 ; v3(103.59,68.6) 103.59,67.43 103.62,67.4 ; v3(108.7,56.3) 108.69,56.29 108.07,56.29 107.81,56.03 ; 110.91,67.25 110.91,67 110.76,66.85 110.36,66.85 v3(110.33,66.88) ; 118.31,66.99 118.31,68.32 116.39,70.24 113.79,70.24 112.24,71.79 112.24,74.87 v3(111.28,75.83) ; v3(147.24,64.57) 147.24,64.63 146.45,65.42 KTS1.27 ; 114.66,76.14 114.41,76.39 113.71,76.39 v3(113.67,76.35) ; 104.84,77.25 104.84,76.38 KNOCK1_SENSE1.3 ; 136.18,67.21 136.5,67.21 v3(136.71,66.99) ; v3(127.37,67.04) 127.42,67.09 FUEL_SENSE1.3 ; v3(116.14,55.27) TPS_SENSE1.3 ; 120.57,67.23 120.21,67.23 v3(119.98,67) ; 105.73,45.92 105.79,45.86 107.76,45.86 v3(108.13,46.23)
  Bottom w0.15: v3(103.59,68.6) 103.59,67 ; 103.59,67 110.21,67 v3(110.33,66.88) 110.45,67 145.03,67 147.24,64.79 v3(147.24,64.57) ; 103.59,67 103.58,67 102.03,65.45 102.03,62.5 108.22,56.3 v3(108.7,56.3) ; v3(107.6,79.07) 107.55,79.07 105.83,77.35 104.74,77.35 106.26,75.83 113.15,75.83 v3(113.67,76.35) ; v3(108.13,46.23) 109.05,47.15 109.05,55.95 v3(108.7,56.3) ; v3(116.14,55.27) 116.14,55.39 115.52,56.01 arc(115.2,56.23) 114.82,56.3 v3(108.7,56.3)
  vias: v3(104.82,77.32) v3(118.28,67.03)
IAT_SENSE+: length 87.7
  Top w0.2: IAT_R1.1 133.25,56.24 IAT_C1.2 133.19,54.79 IAT_R2.1 133.16,54.47 130.87,52.18 106.88,52.18 106.36,51.66 102.77,51.66 99.11,55.32 99.11,77.77 ; 99.11,77.77 99.11,78.19 ; 99.11,77.77 99.11,86.06 100.86,87.81 SP1.11 100.86,90.79 102.78,92.71 102.78,97.45 103.87,98.54 U15.15
  Top w0.25: 133.05,54.76 133.05,54.75 ; 134.61,56.3 134.65,56.25
IAT_SENSE-: length 108
  Top w0.2: v3(107.42,51.54) 107.71,51.83 137.67,51.83 139.87,54.03 139.87,55.74 139.16,56.45 136.91,56.45 136.28,57.08 IAT_SENSE1.6
  Bottom w0.2: U15.55 105.13,105.17 105.13,98.41 98.91,92.19 98.91,78.16 ; 98.91,78.16 98.91,78.75 ; 98.91,78.16 98.91,56.2 103.56,51.55 107.41,51.55 v3(107.42,51.54)
IDLE-OUT: length 50.3
  Top w0.25: U26.3 135.16,83.33 135.46,83.63 135.66,83.43 U26.2
  Top w0.4: v1(124.26,87.2) 124.33,87.13 125.07,87.13 127.39,84.81 134.27,84.81 134.93,84.15 134.94,84.15 135.46,83.63
  Bottom w0.4: U15.80 124.19,112.02 125.19,113.02 127.8,113.02 131.31,109.51 131.31,99.31 127.22,95.22 125.63,95.22 124.14,93.73 124.14,87.32 v1(124.26,87.2)
IGN1: length 36.9
  Top w0.25: 35.99,85.02 34.74,85.02 33.73,86.03 33.73,88.66 43.78,98.7 43.78,103.62 45.08,104.93 52.92,104.93 U15.102
IGN2: length 25.9
  Top w0.25: U15.104 48.64,104.13 45.43,104.13 44.58,103.28 44.58,98.37 37.39,91.19 37.39,88.1 36.85,87.56 35.99,87.56
IGN3: length 39.2
  Top w0.25: U7.7 39,67.06 40.84,68.9 40.84,89.76 49.8,98.72 49.8,100.37 U15.112
IGN4: length 45.2
  Top w0.25: U7.5 38.82,64.52 41.64,67.34 41.64,89.43 51.11,98.89 51.11,101.68 U15.103
IGN5: length 20.6
  Top w0.25: U15.109 57.45,99.15 49.71,91.41 49.71,85.94 50.62,85.02 U4.5
IGN6: length 19
  Top w0.25: U4.7 52.88,87.56 53.53,88.22 53.53,94.1 58.71,99.28 58.71,101.66 U15.100
IGN7: length 38.8
  Top w0.25: U15.106 65.07,99.75 57.09,91.77 57.09,69.09 55,67 53.79,67 U8.7
IGN8: length 44.6
  Top w0.25: U15.98 66.37,101.64 66.37,99.92 57.89,91.43 57.89,67.99 54.48,64.59 53.86,64.59 U8.5
IGN9: length 30.2
  Top w0.25: 67.72,85.05 69.59,85.05 70.4,85.86 70.4,106 67.1,109.3 65.11,109.3 65.07,109.34 U15.90
IGN10: length 27.5
  Top w0.25: U15.91 63.9,107.63 66.84,107.63 69.6,104.87 69.6,88.35 68.84,87.59 67.72,87.59
IGN11: length 62.1
  Top w0.25: U22.7 71.56,66.89 72.16,67.49 72.16,71.65 73.98,73.46 73.98,107.45 66.44,114.99 61.63,114.99 59.99,113.35 U15.84
IGN12: length 68.9
  Top w0.25: U22.5 71.21,64.35 72.96,66.1 72.96,71.31 74.78,73.13 74.78,107.78 66.77,115.79 60.11,115.79 57.45,113.13 U15.85
INJ1: length 56.3